# Altium PCB SEC_3002_DZ&HL.PcbDoc (part 2 of 7) (continued)
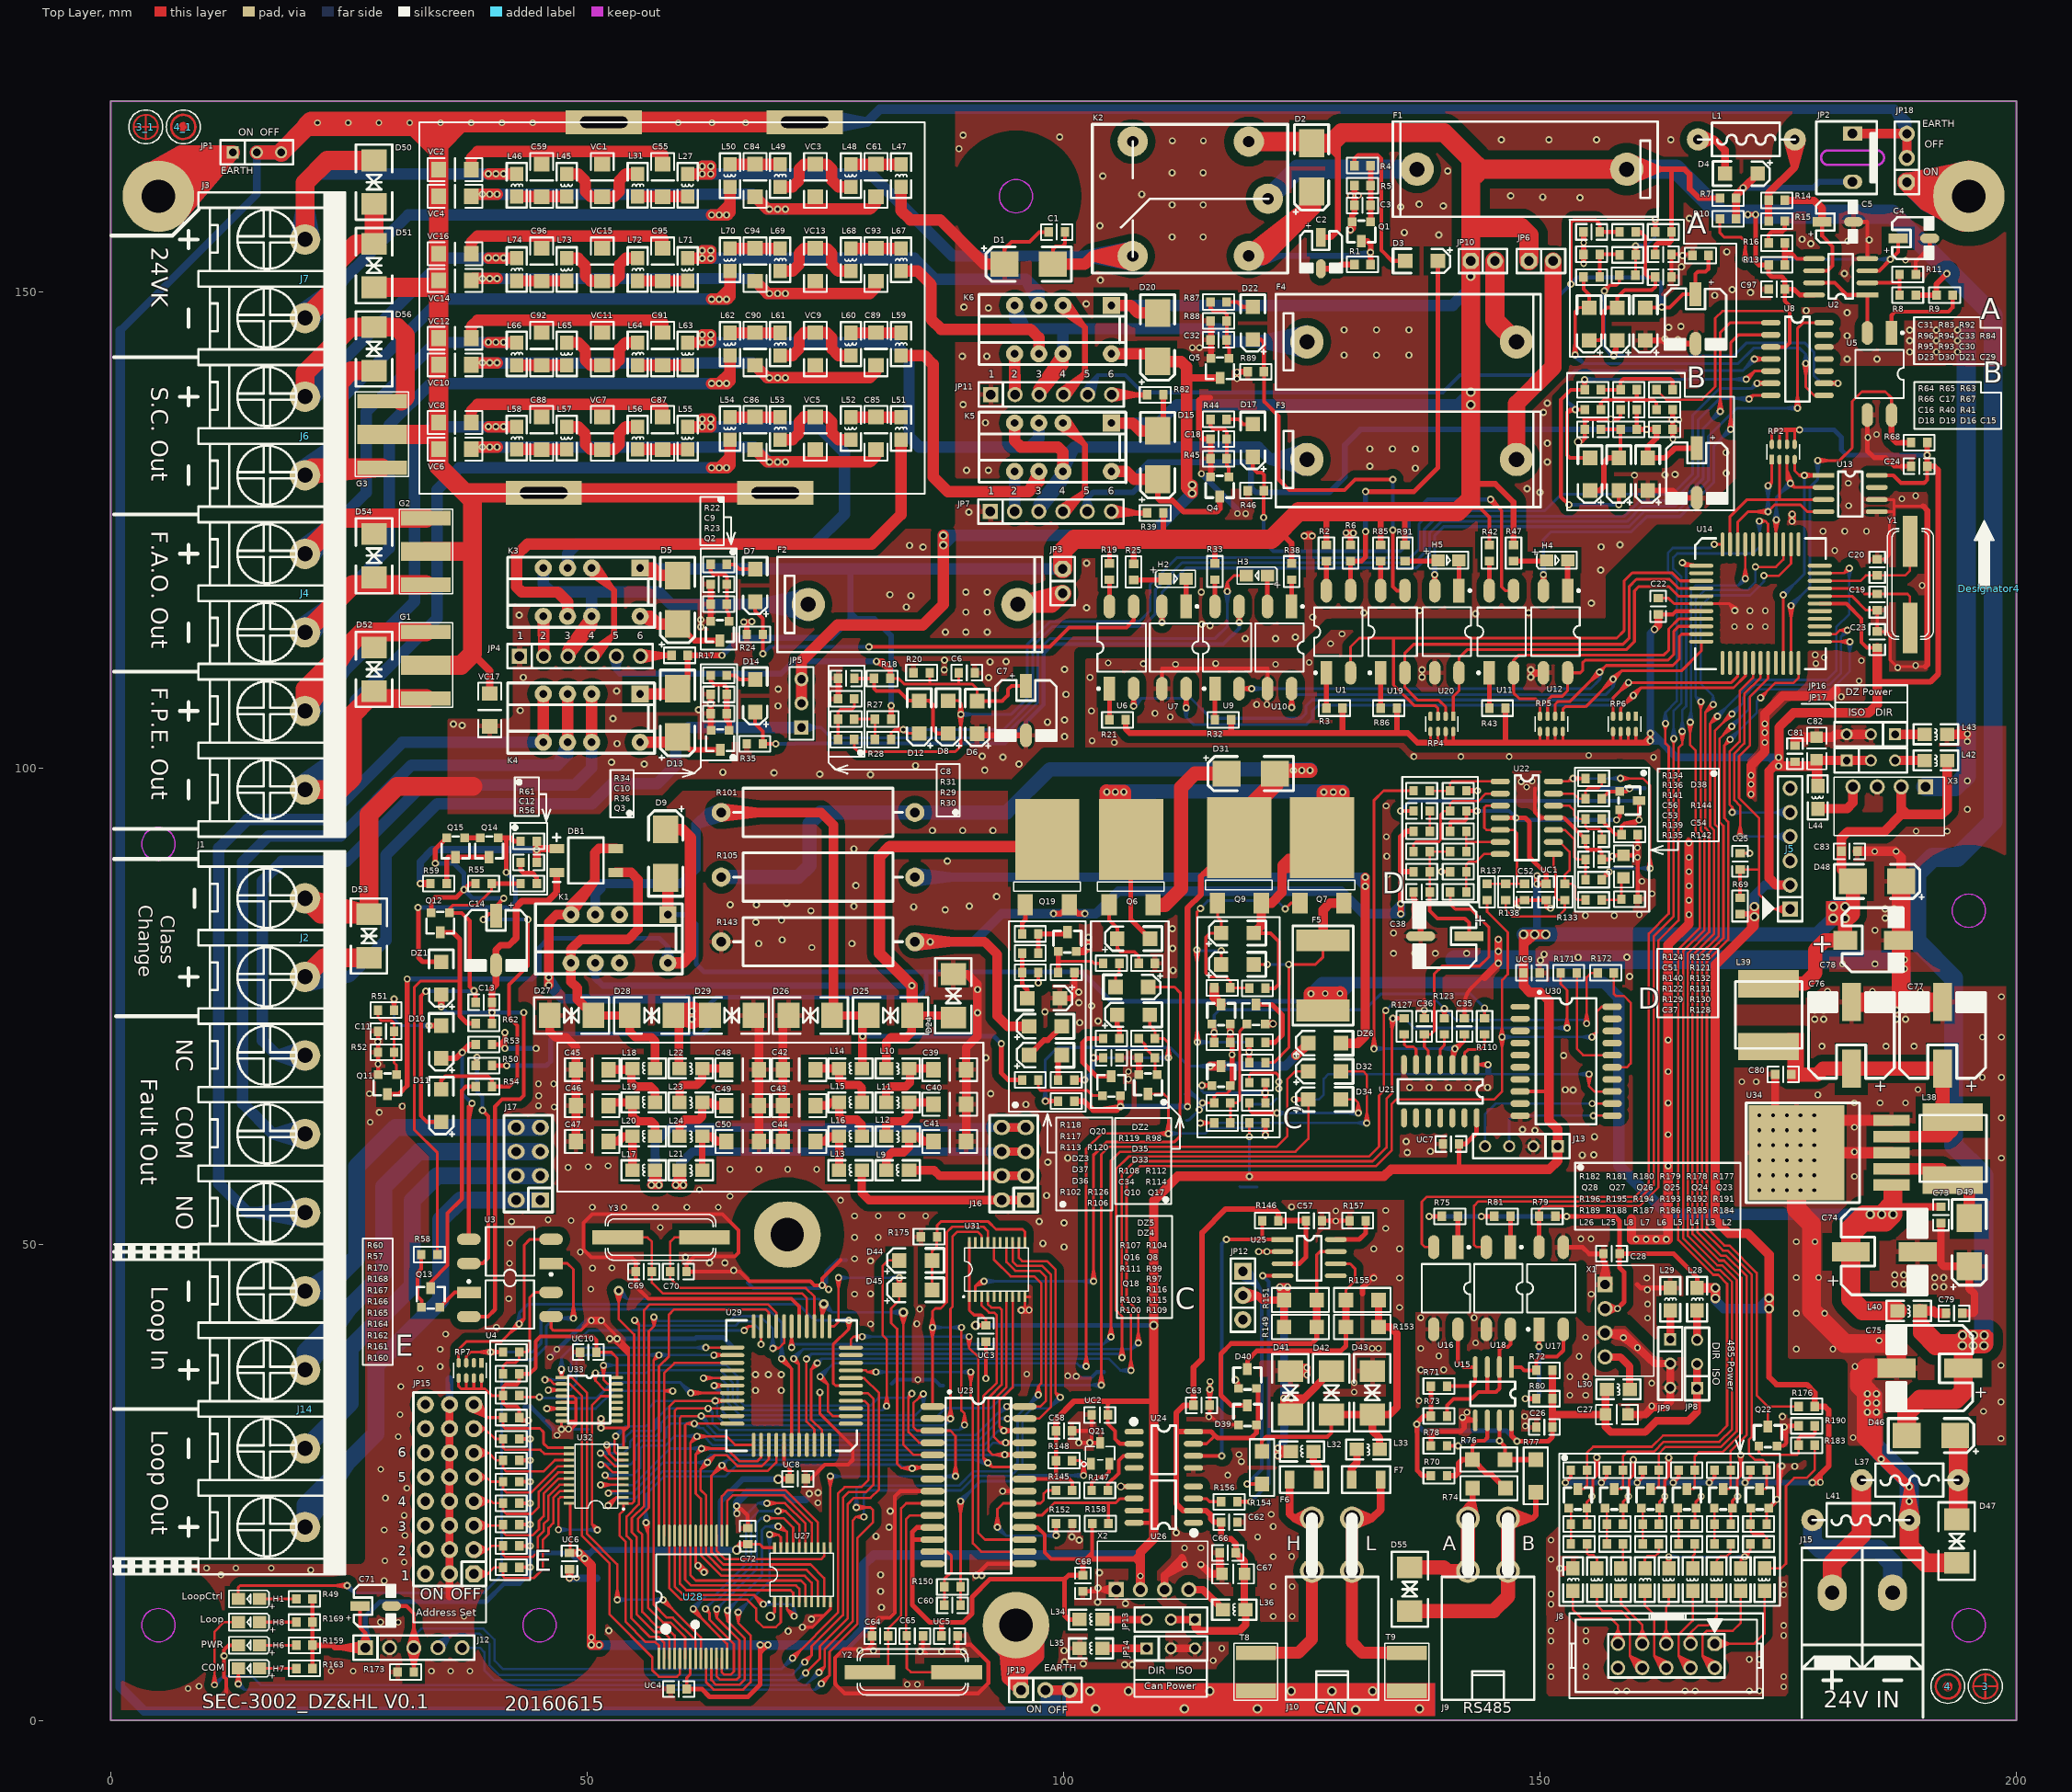
[diagram p0: Top Layer view]
## Nets (pads, with @x,y where several pads share a name; then routed paths per layer and width w, separated by ;. In a path a pad name is that pad's centre, name@x,y a point inside that pad or via, vN(x,y) a via of type N, cw(c..) or ccw(c..) an arc to the next point about the centre after c; other vN are vias at no path point) (continued)
  other v2: 8.121,3.338 9.255,3.581 83.584,3.779 84.662,3.779 23.126,5.184 25.427,5.184 33.658,5.184 35.671,5.184 37.684,5.184 30.171,10.288 28.302,10.324 37.066,10.925 28.689,14.66 48.888,14.966 11.552,15.278 20.984,15.781 10.057,15.991 13.139,15.991 16.851,15.991 30.791,16.622 28.759,16.762 30.861,19.423 28.689,19.984 30.791,21.525 74.211,22.839 28.829,23.346 31.071,24.397 28.339,26.358 198.373,29.59 182.857,29.698 30.16,29.79 46.837,29.936 48.048,30.586 30.37,32.102 196.538,32.45 198.373,33.435 30.44,35.044 101.327,36.129 100.435,36.173 96.132,36.344 32.472,36.935 34.573,37.145 183.045,37.145 198.373,37.28 46.121,38.135 46.804,38.962 34.573,38.966 176.893,38.98 180.725,38.98 185.582,39.871 35.151,40.546 40.465,41.289 79.744,41.618 84.587,41.641 176.893,42.74 179.862,42.74 84.9,43.181 41.766,44.259 78.058,44.756 79.744,44.783 50.383,45.29 176.893,46.5 179.241,46.5 50.555,47.476 52.593,47.5 41.84,47.991 79.744,48.24 78.058,48.456 60.315,48.638 49.279,49.17 41.889,50.103 176.893,50.259 178.863,50.259 78.058,50.711 80.543,50.711 57.679,51.758 42.061,52.361 48.317,52.464 45.907,52.553 78.058,52.966 80.543,52.966 83.028,52.966 85.512,52.966 50.546,53.866 53.851,53.866 57.156,53.866 60.461,53.866 63.766,53.866 76.6,54.613 64.987,55.026 61.78,55.708 182.992,57.114 64.987,57.848 68.016,57.848 71.044,57.848 74.073,57.848 47.998,58.043 50.111,58.129 52.195,58.215 198.427,59.029 182.992,59.687 182.992,62.261 27.212,62.789 198.427,63.266 28.175,63.83 46.542,64.382 30.586,64.468 44.886,64.525 182.992,64.834 185.677,64.834 188.361,64.834 44.914,65.581 179.16,65.668 27.151,65.788 189.657,66.234 44.886,66.837 46.485,66.837 171.173,67.049 172.692,67.049 106.806,67.308 196.43,67.502 198.427,67.502 106.806,68.098 28.033,68.9 117.676,69.881 179.593,70.776 186.312,70.776 189.259,70.776 28.015,71.258 196.43,71.739 198.427,71.739 117.487,72.22 196.43,75.975 198.427,75.975 180.185,76.542 184.881,76.542 189.9,76.542 181.756,79.416 185.149,79.416 134.619,80.528 136.816,80.528 139.014,80.528 142.304,80.527 73.572,81.142 134.619,82.664 185.149,82.942 154.757,84.486 157.786,84.489 160.428,84.593 73.474,84.987 161.75,86.783 160.694,88.084 133.989,88.77 160.219,90.59 133.908,90.718 157.603,90.725 185.124,91.217 187.365,91.217 160.231,91.612 133.867,92.767 189.472,93.352 192.726,93.352 194.856,95.644 133.847,95.993 148.6,97.972 148.028,98.547 149.159,98.616 194.856,98.627 194.856,102.777 194.856,103.558 119.115,126.681 159.908,130.716 163.932,134.544 163.86,136.521 164.571,136.521 157.421,136.618 118.192,140.833 118.192,141.531 113.5,144.102 114.265,144.102 188.37,153.277 154.571,155.111 111.415,165.819 114.679,165.819
24VIN_GND: J15.1 L41.1 | length 19.6
  Bottom Layer w2: J15.1@187.004,13.403 187.004,16.475 ; J15.1@187.004,13.784 187.004,16.475 ; 178.596,18.805 179.404,17.997 185.483,17.997 187.004,16.475 ; 178.596,18.805 L41.1@178.596,21.036 178.596,18.805
24VK.OUT+: D50.K J7.2 L46.1 | length 54.6
  Top Layer w1.2: v1@39.665,162.34 L46.1@42.603,162.34
  Top Layer w2: J7.2@20.387,155.467 20.387,161.419 22.729,163.761 D50.K@27.631,163.761
  Bottom Layer w1.2: J7.2@19.391,155.563 20.387,160.667 J7.2@21.382,155.563 ; J7.2@20.387,155.467 20.387,161.379 21.348,162.34 v1@41.209,162.34
  other v1: 39.639,162.366 40.424,162.366 41.209,162.366
24VK.OUT-: D50.A D51.K J7.1 L50.1 | length 82.9
  Top Layer w1.2: v1(63.057,158.036) v1(63.843,158.036) ; L50.1@64.984,160.982 64.984,159.177 ; v1(63.843,158.036) 64.984,159.177 ; v1(63.843,158.036) v1(64.628,158.036) 64.7,158.036 64.984,158.32 64.984,159.177
  Top Layer w2: J7.1@20.387,147.217 23.339,150.169 23.339,152.607 25.742,155.011 D51.K@27.631,155.011 D50.A@27.631,159.189
  Bottom Layer w1.2: J7.1@19.742,147.981 24.532,151.362 J7.1@21.151,146.572 ; J7.1@20.387,147.217 31.206,158.036 v1(63.057,158.036) v1(63.843,158.036) v1(64.628,158.036) v1@64.641,158.036
24VKCTRL: RP4.3 U1.2 U14.3 | length 57.4
  Top Layer w0.3: U1.2@130.117,109.974 130.117,112.695 131.036,113.614 158.056,113.614 158.816,114.374 158.816,119.601 159.686,120.47 163.867,120.47 164.716,119.621 U14.3@166.919,119.621 ; 134.626,113.47 134.626,108.701 136.786,106.541 138.981,106.541 139.294,106.227 RP4.3@139.294,105.408
93C46_CLK: RP2.3 U13.2 U14.37 | length 29.5
  Top Layer w0.3: v1@174.576,126.027 174.743,124.75 ; U14.37@174.743,123.457 v1@174.743,125.972 ; v1(174.807,126.036) 174.743,124.75 ; v1@175.035,126.004 174.743,124.75 ; RP2.3@175.926,132.355 175.926,130.207 v1(176.271,129.863) ; v1@176.043,129.825 175.926,131.243 ; v1@176.141,129.671 176.702,129.432 ; v1@176.462,129.992 176.702,129.432 ; v1@176.489,129.937 175.926,131.243 ; U13.2@179.756,129.432 176.702,129.432 ; 175.926,131.243 v1(176.271,129.863) ; v1(176.271,129.863) 176.702,129.432
  Bottom Layer w0.3: v1@174.577,126.057 174.807,127.317 v1@175.037,126.057 ; v1(174.807,126.036) 174.807,128.398 v1(176.271,129.863) 175.253,128.845 ; v1@176.095,130.012 175.253,128.845 ; v1@176.42,129.687 175.253,128.845
93C46_CS: RP2.4 U13.1 U14.20 | length 32.1
  Top Layer w0.3: U14.20@175.53,111.011 v1(175.53,118.154) ; RP2.4@176.726,132.355 176.726,131.184 177.209,130.702 ; v1@177.706,130.476 177.209,130.702 ; v1@177.706,130.927 177.209,130.702 ; v1@177.776,130.472 179.036,130.702 v1@177.776,130.932 ; U13.1@179.756,130.702 v1(177.755,130.702) ; 177.209,130.702 v1(177.755,130.702) ; 177.209,130.702 v1(177.755,130.702)
  Bottom Layer w0.3: v1@175.38,118.33 176.547,119.171 v1@175.706,118.004 ; v1(175.53,118.154) 177.755,120.379 v1(177.755,130.702)
93C46_DI: RP2.2 U13.3 U14.43 | length 17.7
  Top Layer w0.3: U14.43@169.942,123.457 169.942,126.382 171.722,128.162 U13.3@179.756,128.162 ; 175.126,128.178 RP2.2@175.126,132.355
93C46_DO: RP2.1 U13.4 U14.42 | length 29.5
  Top Layer w0.3: U14.42@170.755,123.457 170.755,125.821 171.826,126.892 v1@173.925,126.892 ; v1@173.791,129.803 174.326,130.018 ; v1@173.896,126.654 172.637,126.892 ; v1@173.899,127.114 172.637,126.892 ; v1(173.918,129.61) 174.326,130.018 ; v1@174.111,129.483 174.326,130.018 ; RP2.1@174.326,132.355 174.326,130.018 ; U13.4@179.756,126.892 178.061,126.892 177.341,127.612 174.623,127.612 v1@173.925,126.892 ; 172.637,126.892 v1(173.918,126.884) v1@173.925,126.892
  Bottom Layer w0.3: v1@173.688,126.905 173.918,128.165 v1@174.148,126.905 ; v1@173.688,129.589 173.918,128.329 ; v1(173.918,126.884) v1(173.918,129.61) 173.918,128.329 ; v1@174.148,129.589 173.918,128.329
+5V: C58.2 C68.1 C71.1 C72.1 C78.1 C83.1 D38.E D48.K J12.1 J13.1 L34.1 L39.1 L42.1 R49.1 R57.2 R109.2 R121.1 R132.2 R145.2 R148.2 R158.1 R159.1 R160.2 R161.2 R162.2 R163.1 R164.2 R165.2 R166.2 R167.2 R168.2 R169.1 R170.2 RP7.5 RP7.6 RP7.7 RP7.8 U21.14 U22.4 U23.11 U23.12 U23.18 U23.22 U24.2 U26.7 U26.8 U27.20 U28.28 U29.38 U30.8 U31.1 U31.20 U32.20 U33.16 UC1.1 UC2.1 UC3.1 UC4.1 UC5.1 UC6.1 UC7.1 UC8.1 UC9.1 UC10.1 X2.2 X3.2 | length 648
  Top Layer w0.3: RP7.5@36.506,35.941 36.506,35.067 36.769,34.804 39.286,34.804 39.99,34.101 R170.2@41.171,34.101 ; 37.306,34.895 RP7.6@37.306,35.941 ; 38.106,34.809 RP7.7@38.106,35.941 ; 38.906,34.928 RP7.8@38.906,35.941 ; UC6.1@48.226,17.577 U32.20@48.226,22.721 ; UC10.1@50.968,38.651 52.531,38.651 53.145,38.038 U33.16@53.145,35.983 ; UC4.1@60.444,3.29 60.444,4.487 60.829,4.872 U28.28@60.829,6.507 ; C72.1@66.86,18.492 68.117,18.492 68.476,18.133 U27.20@69.666,18.133 ; U31.20@90.099,50.179 U31.1@90.099,44.479 90.099,43.054 90.595,42.558 91.374,42.558 91.842,42.09 UC3.1@91.842,41.469 ; v1(119.487,61.283) R109.2@119.487,62.715
  Top Layer w0.4: R163.1@21.164,5.457 R159.1@21.164,7.889 R169.1@21.164,10.321 R49.1@21.164,12.753 ; J12.1@26.145,7.743 26.719,9.175 ; C71.1@26.152,12.014 26.152,9.742 26.719,9.175 ; J12.1@26.719,7.632 26.719,9.175 ; J12.1@27.294,7.743 26.719,9.175 ; R160.2@42.871,16.074 v1(44.024,16.074) ; R161.2@42.871,18.32 v1(44.024,18.32) ; R162.2@42.871,20.565 v1(44.024,20.565) ; R164.2@42.871,22.81 v1(44.024,22.81) ; R165.2@42.871,25.056 v1(44.024,25.056) ; R166.2@42.871,27.301 v1(44.024,27.301) ; R167.2@42.871,29.546 v1(44.024,29.546) ; R168.2@42.871,31.792 42.871,32.69 42.599,32.962 41.548,32.962 41.171,33.34 R170.2@41.171,34.101 41.171,34.975 41.463,35.267 42.618,35.267 42.871,35.519 R57.2@42.871,36.385 43.973,36.385 44.595,37.007 44.595,39.803 45.088,40.296 50.583,40.296 50.968,39.911 UC10.1@50.968,38.651 ; U29.38@70.662,28.925 70.662,26.996 71.253,26.405 UC8.1@71.253,25.363 ; U23.18@95.892,20.255 97.27,20.255 98.031,19.494 98.031,17.627 98.692,16.966 101.53,16.966 ; U23.22@95.892,25.335 100.569,25.335 100.898,25.006 R145.2@100.898,24.147 ; 99.198,25.415 R148.2@99.198,27.271 C58.2@99.198,30.396 ; 102.007,16.49 101.53,16.966 ; 102.501,16.966 102.316,16.966 ; 102.999,16.975 102.999,17.649 ; R158.1@102.999,20.668 102.999,17.649 ; 104.368,33.506 104.64,33.234 UC2.1@104.64,32.077 104.64,31.134 105.39,30.384 105.39,29.564 105.908,29.047 U24.2@107.402,29.047 ; 104.674,33.221 104.946,33.493 ; U26.8@107.402,20.749 109.306,20.749 ; U26.7@107.402,22.019 109.415,22.019 ; R132.2@140.568,93.342 140.568,94.256 140.677,94.364 142.015,94.364 142.268,94.617 R121.1@142.268,95.466 v1(143.402,95.466) ; U30.8@147.915,66.025 150.782,66.025 ; v1(158.03,94.529) 158.367,94.867 D38.E@158.367,95.598 ; 101.53,16.966 102.316,16.966 ; 102.316,16.966 102.999,17.649
  Top Layer w0.5: R168.2@42.871,31.792 43.168,31.495 v1(43.825,31.495) ; UC4.1@60.444,3.29 62.037,3.29 62.843,2.484 66.877,2.484 68.161,3.769 v1(68.161,7.916) ; v1@68.161,7.935 v1(68.161,7.916) ; 68.226,7.182 v1(68.959,7.916) v1(68.161,7.916) ; 84.178,18.985 U23.12@86.24,18.985 ; U23.11@86.24,20.255 84.601,20.255 84.122,19.776 84.122,12.123 85.958,10.287 89.456,10.287 90.393,11.223 90.393,12.957 92.254,14.819 99.989,14.819 ; UC5.1@87.18,8.862 87.18,10.267 ; v3(90.769,41.469) UC3.1@91.842,41.469 ; L34.1@101.684,10.585 100.518,10.585 100.097,11.006 100.097,14.819 100.525,15.246 C68.1@102.025,15.246 ; 141.505,57.922 UC7.1@141.505,60.508 142.188,60.508 143.34,61.66 U21.14@143.34,63.254 ; U22.4@145.826,94.755 148.443,94.755 148.894,94.304 148.894,90.63 150.646,88.878 UC1.1@150.646,87.817
  Top Layer w0.6: R159.1@21.164,7.889 23.28,7.889 23.536,7.632 J12.1@26.719,7.632 24.134,7.632 ; J12.1@26.674,7.15 24.134,7.632 ; J12.1@26.674,8.115 24.134,7.632 ; v3@65.615,18.006 66.1,18.492 C72.1@66.86,18.492 ; v3@69.985,25.363 UC8.1@71.253,25.363 ; C58.2@99.198,30.396 99.198,31.62 101.084,33.506 104.368,33.506 109.42,33.506 ; C68.1@102.025,15.246 102.025,16.49 102.501,16.966 107.453,16.966 ; 108.059,16.361 107.453,16.966 ; 108.059,16.966 107.453,16.966 ; 108.059,17.571 107.453,16.966 ; v1(149.687,88.664) v1(149.687,87.817) UC1.1@150.646,87.817
  Top Layer w0.8: UC6.1@48.141,17.577 48.226,17.577 v1(49.136,17.577)
  Top Layer w1: v1(49.136,17.577) 50.439,16.274 v2(50.439,8.727) v1(50.439,7.916) v2@51.219,7.916 ; X2.2@108.059,13.726 v2(108.059,15.159) 108.059,16.361 108.059,16.966 108.059,17.571 108.059,17.677 109.506,19.124 ; 109.46,19.124 109.46,54.587 111.988,57.115 133.626,57.115 134.369,57.858 150.96,57.858 151.846,58.745 J13.1@151.846,60.27 151.846,62.077 150.933,62.99 150.933,75.543 150.038,76.439 148.92,76.439 148.265,77.094 UC9.1@148.265,78.477 148.265,81.554 ; v3(150.598,82.512) v3(149.432,82.512) ; D48.K@182.823,88.085 181.617,89.291 C83.1@181.617,91.237 181.617,92.64 182.276,93.299 186.121,93.299 187.919,95.097 ; 188.546,95.115 187.919,95.741 ; L42.1@192.728,100.554 192.728,95.653 192.173,95.097 187.919,95.097 ; 148.265,81.554 v3(148.265,82.512) v3(149.432,82.512) ; 148.265,81.554 148.736,81.94 v3(149.432,82.512) ; 187.919,95.097 187.919,95.741 ; 187.919,95.741 X3.2@187.919,97.997 187.919,95.741
  Top Layer w1.5: L39.1@173.966,77.345 177.777,77.345 178.875,78.443 178.875,80.881 179.886,81.891 C78.1@182.034,81.891 182.034,83.827 182.833,84.626 D48.K@182.833,88.085
  Bottom Layer w0.3: v1(119.487,57.118) v1(119.487,61.283)
  Bottom Layer w0.4: v1(143.402,95.466) 146.748,95.466 v1(147.461,94.753) 147.685,94.529 v1(158.03,94.529)
  Bottom Layer w0.5: J12.1@26.188,7.695 26.719,9.917 J12.1@27.25,7.695 ; J12.1@26.719,7.632 26.719,10.923 28.251,12.455 39.381,12.455 41.299,14.372 42.882,14.372 44.024,15.515 v1(44.024,16.074) v1(44.024,18.32) v1(44.024,20.565) v1(44.024,22.81) v1(44.024,25.056) v1(44.024,27.301) v1(44.024,29.546) 43.825,29.746 v1(43.825,31.495) ; 44.105,17.577 48.141,17.577 ; v1(49.136,17.577) 48.141,17.577 ; v1@49.549,17.183 48.535,17.183 ; v1(49.729,17.003) 48.715,17.003 48.535,17.183 ; v3(90.769,41.469) v3@109.501,41.469 ; 48.141,17.577 48.535,17.183
  Bottom Layer w0.6: v1(49.136,17.577) 50.303,17.577 ; v1(49.729,17.003) 50.303,17.577 ; 63.988,18.01 63.988,22.986 66.32,25.318 v3(70.051,25.318) ; v3(65.696,17.902) 50.628,17.902 50.303,17.577
  Bottom Layer w0.8: v3@149.687,82.482 149.687,82.512 v1(149.687,87.817) v1(149.687,88.664)
  Bottom Layer w1: v2(50.439,8.727) v1(50.439,7.916) v2(51.25,7.916) v1(68.161,7.916) v1(68.959,7.916) 77.333,7.916 79.044,9.626 79.044,16.34 80.069,17.365 107.399,17.365 108.059,16.705 v2(108.059,15.159) X2.2@108.059,13.726
  Bottom Layer w1.5: v3(148.265,82.512) v3(149.432,82.512) 149.687,82.512 v3(150.598,82.512) 179.09,82.512 v3(180.768,84.191) ; v3(180.768,84.191) v3(182.015,84.191) v3(182.015,85.416) v3(180.768,85.416) v3(180.768,84.191)
  other v3: 109.46,41.469
+24V: C73.1 C74.1 D9.K F5.2 K1.1 L40.2 R50.1 R113.2 U34.1 | length 258.6
  Top Layer w0.4: v1(97.351,77.429) R113.2@97.351,78.52
  Top Layer w0.5: R50.1@40.01,68.749 v1(41.563,68.749)
  Top Layer w0.8: D9.K@58.235,87.679 D9.K@58.235,88.451 ; 187.843,53.922 C73.1@192.071,53.922
  Top Layer w1.2: K1.1@58.463,84.588 D9.K@58.463,88.223
  Top Layer w1.5: F5.2@125.953,75.441 v1(125.953,76.288) v2@128.98,76.288 ; F5.2@129.011,75.491 v2(129.011,76.319)
  Top Layer w2: 187.047,54.489 187.047,54.294 ; 187.047,55.518 187.047,54.294 ; L40.2@187.519,42.99 183.88,42.99 182.619,44.251 C74.1@182.619,49.182 182.619,51.026 ; 182.619,51.026 182.619,51.715 183.97,53.066 185.819,53.066 187.047,54.294 ; 182.619,51.026 183.921,52.328 186.25,52.328 v3(187.047,53.126) 187.047,54.294
  Bottom Layer w0.4: v1(97.351,77.429) 97.351,78.59
  Bottom Layer w0.5: v1(41.563,68.749) 45.717,68.749 46.17,69.202 46.17,71.463 46.787,72.08 62.112,72.08 62.832,72.801 62.832,75.188 63.556,75.912 84.789,75.912 85.569,76.692 85.569,78.596 ; K1.1@58.463,84.588 60.427,84.588 61.436,83.579 61.436,79.41 62.249,78.596 85.569,78.596 ; v1@126.001,76.288 125.201,75.487 104.974,75.487 101.866,78.596 85.569,78.596
  Bottom Layer w1.2: 129.01,76.883 128.713,77.181 126.846,77.181 ; v3(184.656,53.126) 163.387,53.126 158.265,58.248 158.265,75.892 156.705,77.452 130.305,77.452 ; 126.846,77.181 v1(125.953,76.288) 126.001,76.288 126.13,76.158 129.01,76.158 130.305,77.452 ; 126.846,77.181 127.118,77.452 130.305,77.452
  Bottom Layer w1.5: v3(184.656,53.126) v3(185.851,53.126) v3(187.047,53.126)
  other v2: 127.466,76.319
+24V_IN: J15.2 L37.1 | length 21.4
  Top Layer w2: J15.2@180.654,13.403 180.654,16.414 ; J15.2@180.654,13.784 180.654,16.414 ; 180.654,16.414 183.738,19.499 ; 183.738,19.499 L37.1@183.738,25.217 183.738,19.499
+24VOUT: C2.1 C33.1 C75.1 C79.1 C97.1 D2.K D5.K D13.K D15.K D20.K D46.K F1.1 JP3.1 JP6.1 JP10.1 K2.2 K3.1 K4.1 K5.1 K6.1 L40.1 R2.1 R7.2 R8.2 R9.2 R13.2 R17.1 R19.1 R25.1 R27.1 R33.1 R38.1 R39.1 R42.1 R47.1 R63.1 R82.1 R85.1 R91.1 R92.1 U2.8 U8.3 | length 701.7
  Top Layer w0.25: R63.1@162.219,139.688 163.265,138.641 166.996,138.641 168.381,140.026 168.381,147.188 169.14,147.947 176.171,147.947
  Top Layer w0.4: 142.732,128.262 143.526,127.468 ; 142.967,127.283 143.711,127.283 ; 143.526,128.553 143.526,127.468 ; R42.1@144.682,123.396 144.682,126.311 143.711,127.283 ; U8.3@174.223,144.18 175.765,144.18 176.195,144.611 176.195,148.51 175.689,149.017 C97.1@175.689,150.25 ; v3(196.585,39.35) 196.776,39.541 v3@196.878,39.643 ; 143.526,127.468 143.711,127.283
  Top Layer w0.5: R19.1@104.812,121.447 104.812,123.786 ; C33.1@162.094,153.9 162.094,154.837 162.339,155.082 163.546,155.082 163.794,155.33 R92.1@163.794,156.255 163.794,162.694 ; v1(171.805,158.082) v1(172.626,158.082) 172.626,153.116 172.954,152.789 R13.2@173.989,152.789 173.989,151.858 174.304,151.544 175.371,151.544 175.689,151.226 C97.1@175.689,150.25 176.64,150.25 177.252,149.637 U2.8@178.764,149.637
  Top Layer w0.6: D13.K@60.553,109.379 R17.1@60.553,111.811 v1@64.139,111.811 ; R27.1@81.893,105.106 v1(81.893,106.536) ; R25.1@107.352,121.426 107.352,123.835 ; 110.472,123.999 R39.1@110.472,126.757 ; D15.K@110.472,135.965 R82.1@110.472,139.158 ; R33.1@115.881,121.447 115.881,123.684 ; 123.003,124.519 123.929,123.593 R38.1@123.929,121.447 ; C2.1@127.007,155.688 128.047,155.688 128.778,156.419 128.778,164.193 ; R2.1@127.577,123.396 127.577,126.877 ; 128.081,164.89 128.778,164.193 ; 128.081,165.577 128.603,165.577 128.778,165.402 128.778,164.193 ; 133.211,126.892 133.279,126.824 R85.1@133.279,123.396 ; R91.1@135.819,123.396 135.819,126.674 ; 142.779,129.815 145.302,129.815 147.222,127.895 R47.1@147.222,123.396 ; F1.1@159.102,162.833 165.184,162.833 165.708,162.309 165.708,160.78 166.684,159.805 R7.2@168.88,159.805 ; F1.1@159.203,161.989 162.652,162.833 ; F1.1@159.203,163.677 162.652,162.833 ; F1.1@159.398,161.414 162.652,162.833 ; F1.1@159.398,164.253 162.652,162.833 ; R8.2@189.436,149.618 R9.2@191.604,149.618 191.604,150.785 v1(192.69,151.871) ; 193.56,40.082 194.214,40.736 197.038,40.736 197.272,40.502 197.272,39.541 196.776,39.541 v3@196.559,39.541
  Top Layer w1: L40.1@189.895,42.99 191.286,42.99 191.541,42.735 C79.1@192.606,42.735
  Top Layer w1.2: K4.1@55.553,107.764 D13.K@58.938,107.764 ; D5.K@59.494,120.185 57.7,120.185 ; K5.1@105.018,136.2 107.23,136.2 108.054,135.375 D15.K@109.882,135.375 ; K6.1@105.018,148.54 107.027,148.54 ; K6.1@105.018,148.548 107.027,148.54 ; D20.K@109.856,147.745 107.822,147.745 107.027,148.54 ; v3(194.346,40.437) v3(195.478,40.437) v3(196.611,40.437) ; K3.1@55.553,120.98 56.905,120.98 ; K3.1@55.553,120.98 57.7,120.185 ; K3.1@55.553,120.98 56.905,120.98 ; 56.905,120.98 57.7,120.185
  Top Layer w1.5: L40.1@189.895,42.99 189.895,40.654 191.474,39.074 194.201,39.074 v3@194.404,38.871
  Top Layer w2: JP3.1@99.902,120.87 99.902,122.763 101.138,123.999 110.472,123.999 121.799,123.999 124.691,126.892 133.211,126.892 141.361,126.892 142.732,128.262 v3(142.732,138.113) v3(142.732,139.435) JP10.1@142.732,153.204 ; K2.2@119.442,165.739 D2.K@125.865,165.739 ; D2.K@126.026,165.577 128.081,165.577 129.181,166.677 139.94,166.677 142.732,163.885 ; 142.732,146.354 JP10.1@142.732,153.204 ; 143.082,162.132 143.784,162.833 ; JP6.1@148.834,153.204 148.834,155.913 148.037,156.71 142.732,156.71 ; 151.352,162.833 F1.1@159.102,162.833 143.784,162.833 ; D46.K@188.491,29.908 188.491,32.305 189.89,33.704 193.622,33.704 194.404,34.486 C75.1@194.404,36.983 v3@194.404,38.871 ; 190.22,40.98 191.659,39.541 193.735,39.541 ; v3@194.201,39.074 193.735,39.541 ; v3@196.559,39.541 193.735,39.541 ; JP10.1@142.732,153.204 142.732,156.71 ; 142.732,156.71 142.732,163.885 ; 142.732,163.885 143.784,162.833
  Bottom Layer w0.4: K6.1@105.084,148.144 K6.1@105.248,148.309
  Bottom Layer w0.6: v1(64.139,111.811) 65.967,113.64 75.644,113.64 77.628,115.624 ; 77.628,120.87 77.628,116.304 ; v1(81.893,106.536) 81.893,113.885 80.154,115.624 78.308,115.624 ; 77.628,115.624 77.628,116.304 ; 77.628,115.624 78.308,115.624 ; 77.628,116.304 78.308,115.624
  Bottom Layer w1.2: K3.1@55.553,120.98 60.062,120.87 ; K3.1@55.663,120.87 77.628,120.87 JP3.1@99.902,120.87 95.452,120.87 ; K5.1@105.018,136.2 109.982,136.2 111.895,138.113 v3(142.732,138.113) v3(142.732,139.435) 141.421,138.125 ; K6.1@105.018,148.548 140.83,148.548 142.732,150.45 ; v3(196.585,39.35) 196.56,39.376 194.346,39.376 v3(194.346,40.437) v3(195.478,40.437) 196.559,40.437 v3(196.611,40.437) ; 142.732,150.45 JP10.1@142.732,153.204 142.732,150.45
  Bottom Layer w2: F1.1@159.102,162.833 164.284,162.833 168.998,158.119 186.957,158.119 197.553,147.523 197.553,94.388 193.763,90.598 191.216,90.598 189.524,88.906 189.524,81.809 193.414,77.919 193.414,60.383 196.559,57.237 196.559,40.437 v3@196.559,39.541
  other v3: 194.32,39.35 195.453,39.35 142.718,151.596
/INT0: U23.16 U29.8 | length 48.3
  Top Layer w0.254: U29.8@77.672,36.748 79.255,36.748 79.434,36.57 ; v1@80.263,36.318 79.434,36.57 ; v1@80.263,36.821 79.434,36.57 ; v1@90.002,36.541 90.254,35.427 ; v1@90.506,36.541 90.254,35.427 ; U23.16@95.892,17.715 91.349,17.715 90.48,18.584 90.48,33.532 90.254,33.759 v1(90.254,36.57) 90.254,35.427 ; 79.434,36.57 v1(80.301,36.57) 79.434,36.57
  Bottom Layer w0.254: v1(80.301,36.57) v1(90.254,36.57) 89.111,36.57 ; v1@80.329,36.317 81.444,36.57 v1@80.329,36.822 ; v1@90.226,36.317 89.111,36.57 ; v1@90.226,36.822 89.111,36.57
/RD: U23.5 U28.22 U29.13 U32.1 | length 113.8
  Top Layer w0.254: v6@52.926,45.064 53.303,43.851 ; v6@53.679,45.064 53.303,43.851 ; U28.22@57.529,6.507 57.529,7.865 57.154,8.24 56.145,8.24 54.013,10.372 54.013,18.774 53.395,19.393 53.395,21.613 53.807,22.025 U32.1@53.807,22.784 54.712,22.784 54.919,22.991 54.919,40.511 53.303,42.128 v6(53.303,45.121) 53.303,43.851 ; v6@74.438,43.728 U29.13@74.65,42.439 ; U29.13@74.65,41.371 74.65,43.565 v6(74.819,43.734) U29.13@74.65,42.439 ; v6@75.185,43.63 U29.13@74.65,42.439 ; v6@82.812,42.785 83.188,41.572 ; v6@83.565,42.785 83.188,41.572 ; U23.5@86.24,27.875 84.254,27.875 83.188,28.941 v6(83.188,42.842) 83.188,41.572
  Bottom Layer w0.254: v6@53.077,44.814 54.192,44.232 ; v6(53.303,45.121) 54.192,44.232 ; v6@53.61,45.346 54.192,44.232 ; v6@74.593,43.427 75.711,42.842 ; v6@75.126,43.96 75.711,42.842 ; v6@83.131,42.466 81.918,42.842 ; v6@83.131,43.219 81.918,42.842 ; 54.192,44.232 74.322,44.232 v6(74.819,43.734) 75.711,42.842 ; 75.711,42.842 v6(83.188,42.842) 81.918,42.842
/WR: D45.A U23.6 U28.27 U29.12 | length 113.4
  Top Layer w0.254: v1@55.937,20.688 56.394,19.517 ; v1@56.435,20.774 56.394,19.517 ; U28.27@60.279,6.507 60.279,8.739 58.732,10.286 57.948,10.286 56.394,11.84 56.394,20.543 v1(56.181,20.756) 56.394,19.517 ; U29.12@75.437,41.371 75.92,41.371 76.374,41.824 v1(76.374,46.472) 76.374,45.329 ; v1@76.121,46.444 76.374,45.329 ; v1@76.626,46.444 76.374,45.329 ; v1@82.502,46.444 D45.A@82.754,45.329 ; v1@83.007,46.444 D45.A@82.754,45.329 ; v1@84.076,26.219 83.019,26.472 ; v1@84.076,26.724 83.019,26.472 ; v1@84.105,26.726 U23.6@85.266,26.605 ; v1@84.136,26.605 U23.6@86.24,26.605 ; v1@84.162,26.224 U23.6@85.266,26.605 ; D45.A@82.754,45.329 v1(82.754,46.472) D45.A@82.754,45.188 82.754,44.118 81.897,43.26 81.897,41.732 82.524,41.104 82.524,26.966 83.019,26.472 ; 83.019,26.472 v1(84.106,26.472) ; 83.019,26.472 v1(84.106,26.472) ; v1(84.106,26.472) U23.6@85.266,26.605
  Bottom Layer w0.254: v1@55.929,20.785 56.181,21.899 v1@56.434,20.785 ; v1(56.181,20.756) 56.181,23.732 58.05,25.601 64.486,25.601 65.734,26.849 82.845,26.849 83.088,26.605 ; v1(76.374,46.472) v1(82.754,46.472) 81.611,46.472 ; v1@76.402,46.22 77.517,46.472 v1@76.402,46.725 ; v1@82.726,46.22 81.611,46.472 ; v1@82.726,46.725 81.611,46.472 ; v1@84.042,26.226 83.088,26.605 ; v1(84.106,26.472) 83.088,26.605 ; v1@84.108,26.726 83.088,26.605 ; v1@84.136,26.605 83.088,26.605
A0: U27.12 U28.10 | length 14.3
  Top Layer w0.254: U28.10@63.579,19.407 63.579,17.819 64.471,16.926 74.558,16.926 74.866,17.234 U27.12@74.866,18.133
A1: U27.13 U28.9 | length 18.5
  Top Layer w0.254: U28.9@64.129,19.407 64.129,23.535 64.772,24.178 70.819,24.178 74.216,20.781 U27.13@74.216,18.133
A2: U27.14 U28.8 | length 16.6
  Top Layer w0.254: U28.8@64.679,19.407 64.679,23.04 65.262,23.624 70.66,23.624 73.566,20.718 U27.14@73.566,18.133